# Altium PCB 2m_DBoard_TX.PcbDoc (part 1 of 5) (continued)
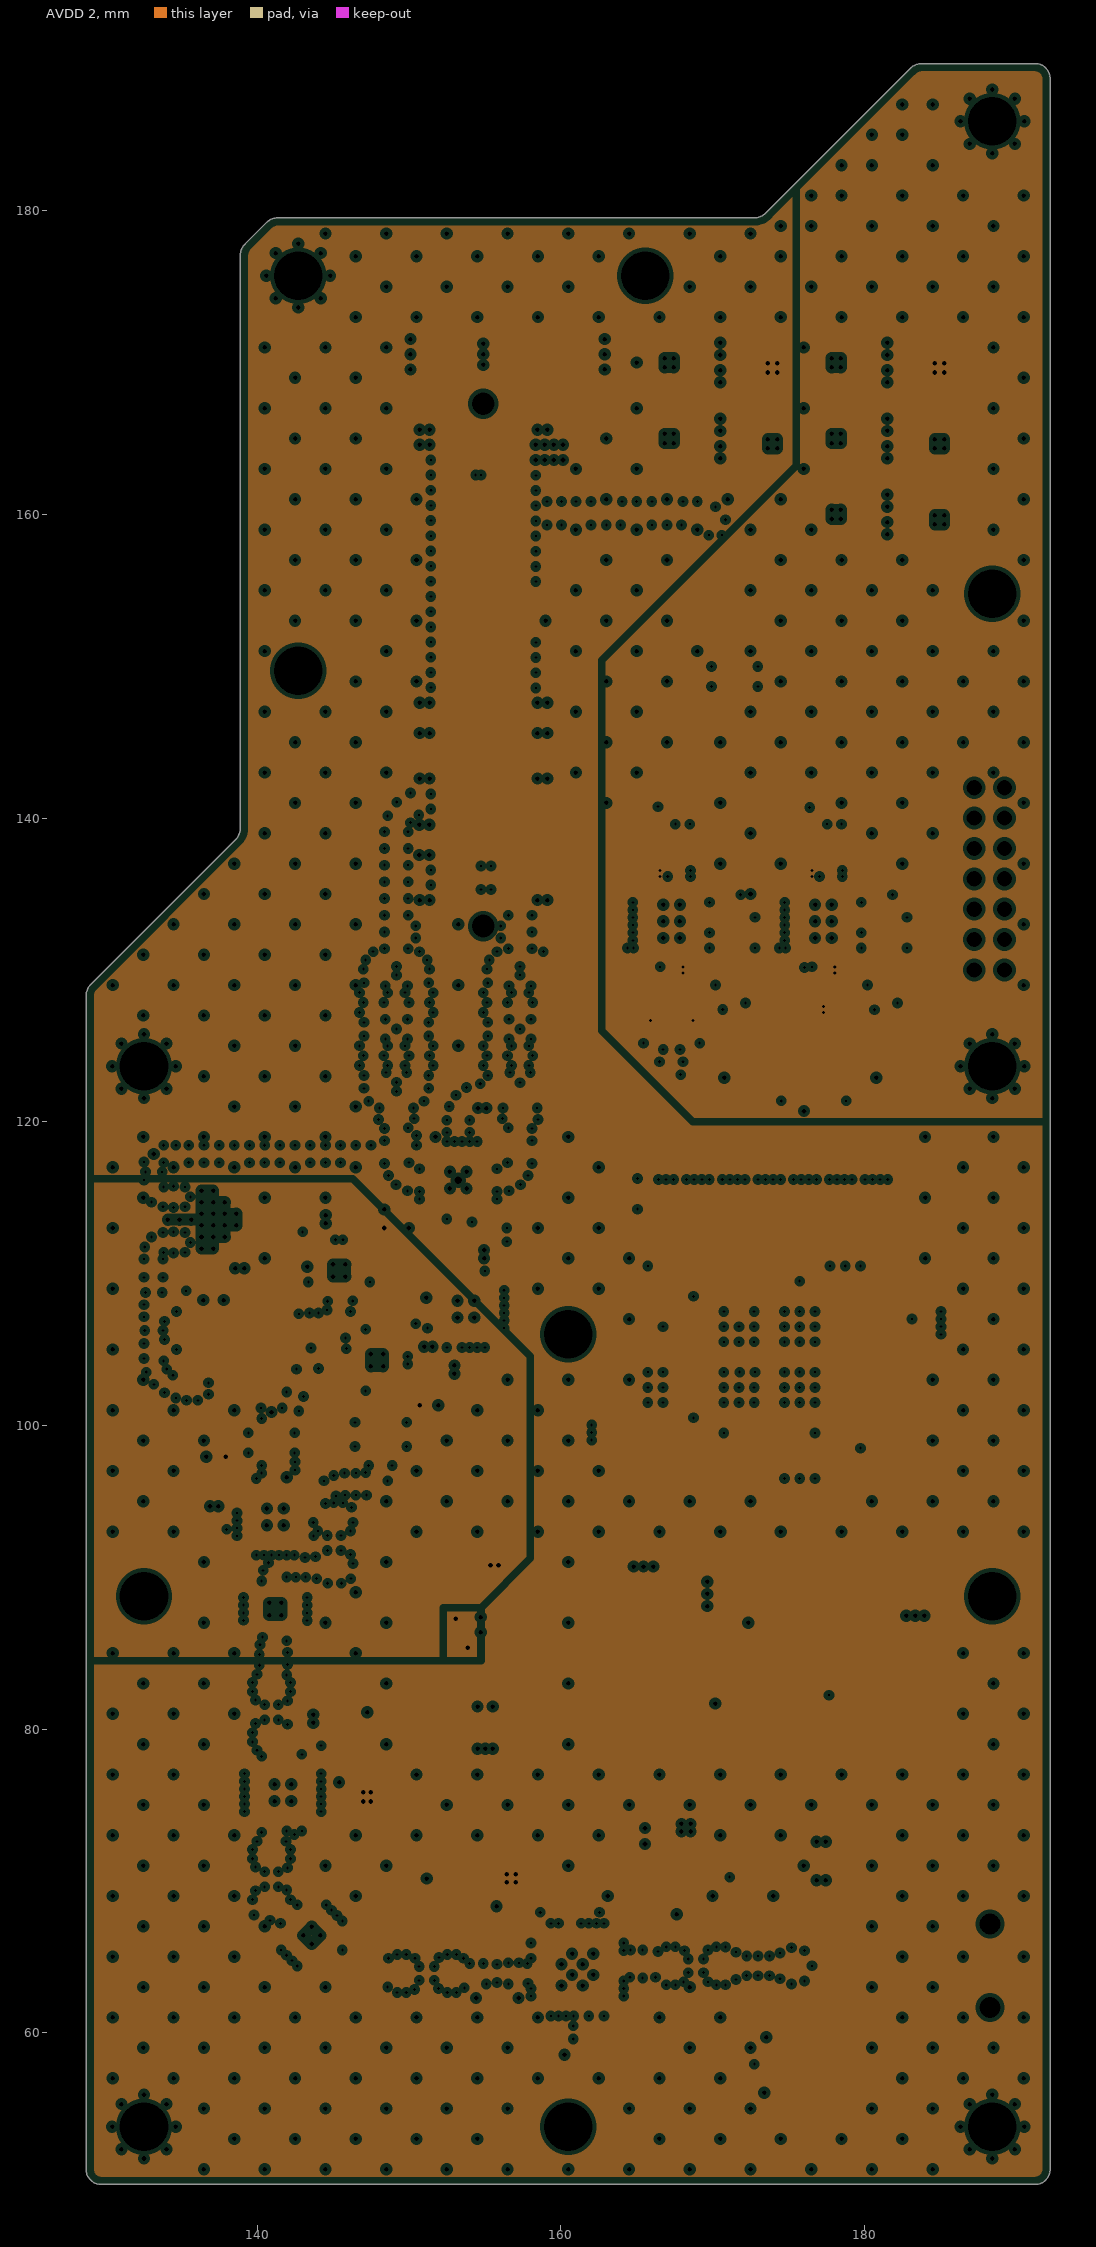
[diagram p6: AVDD 2, clearances drawn from the general rule]
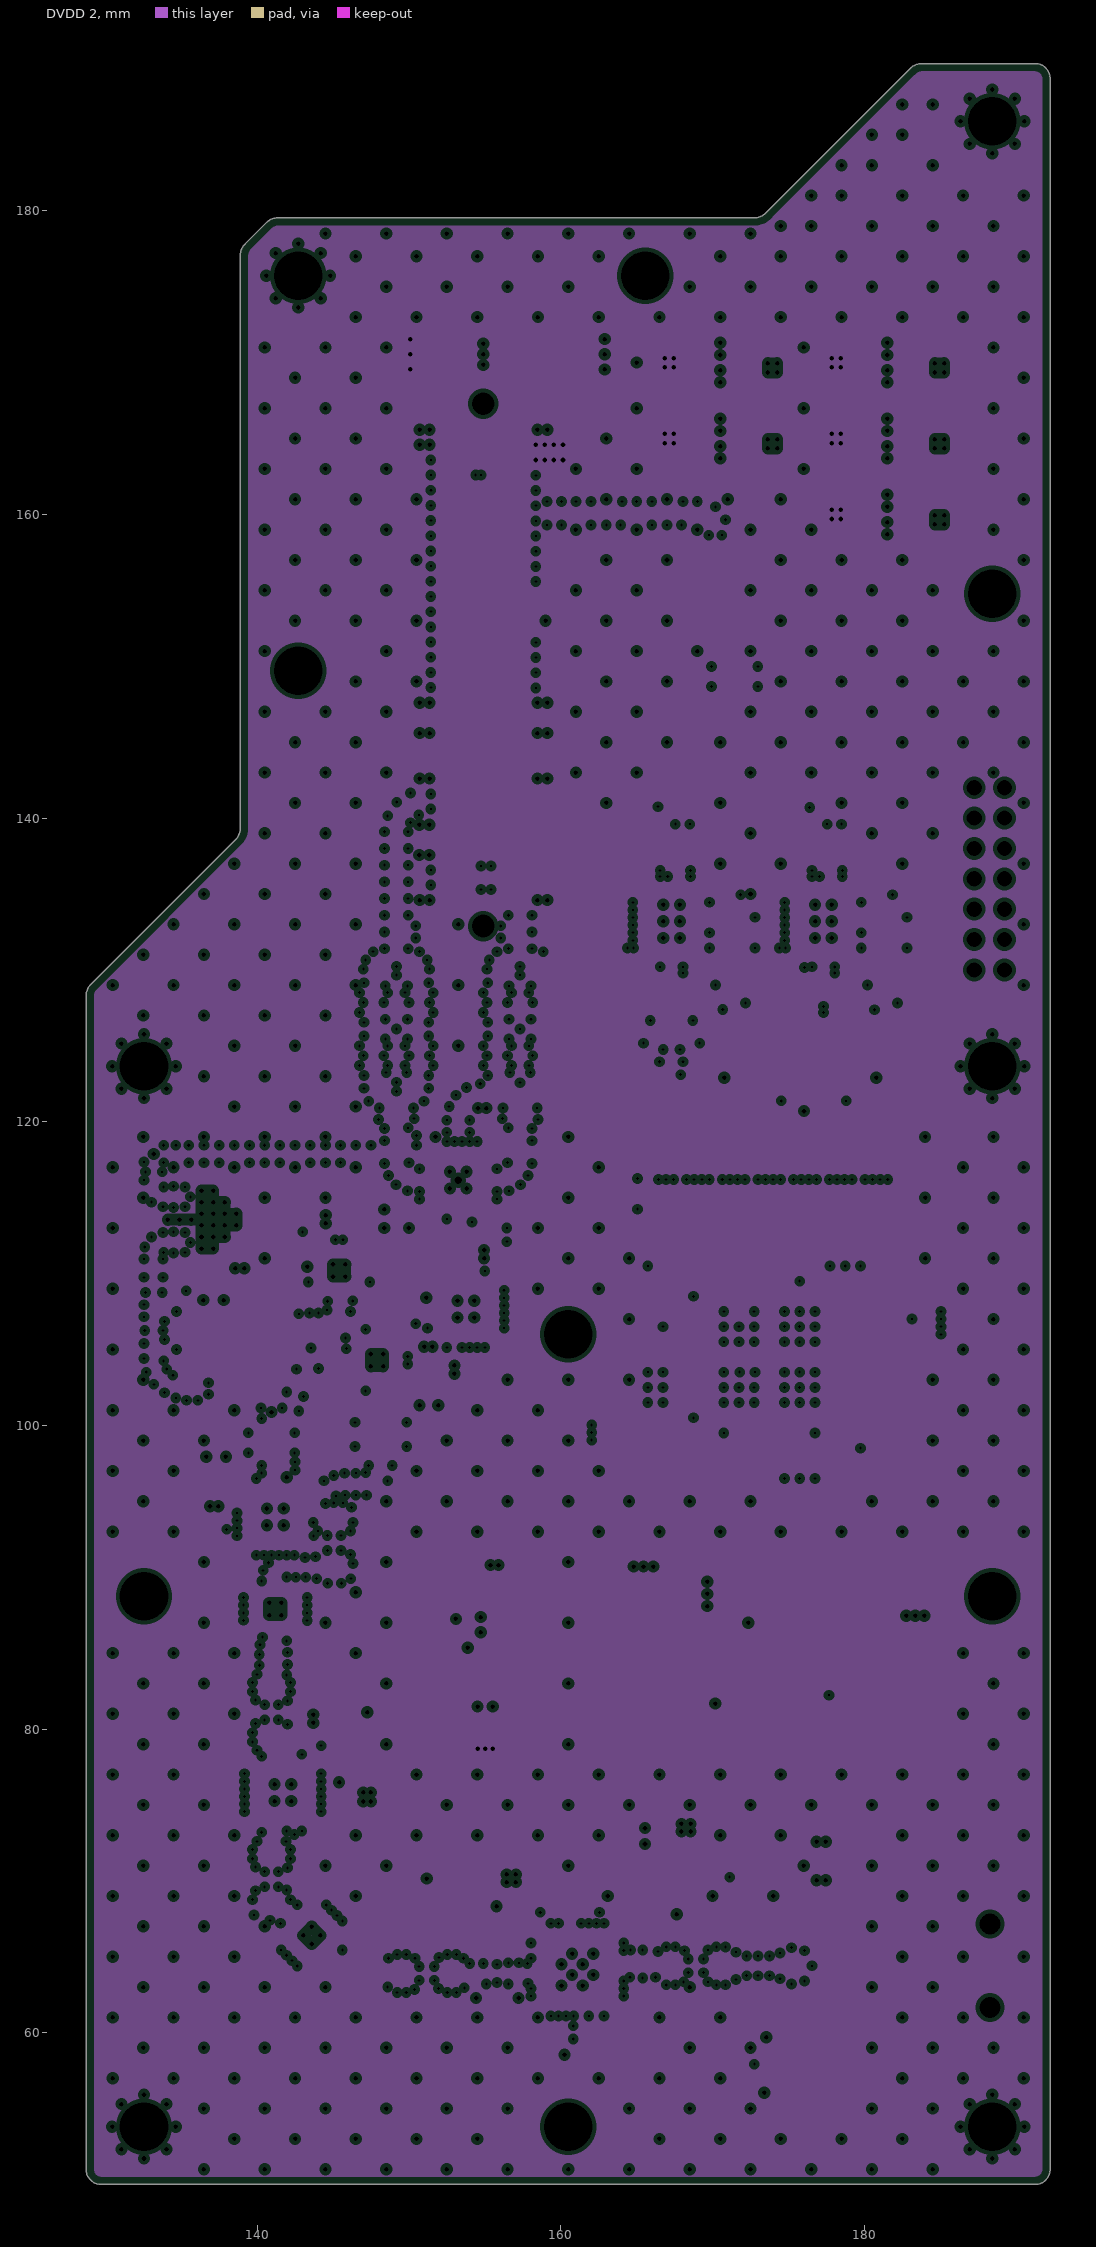
[diagram p7: DVDD 2, clearances drawn from the general rule]
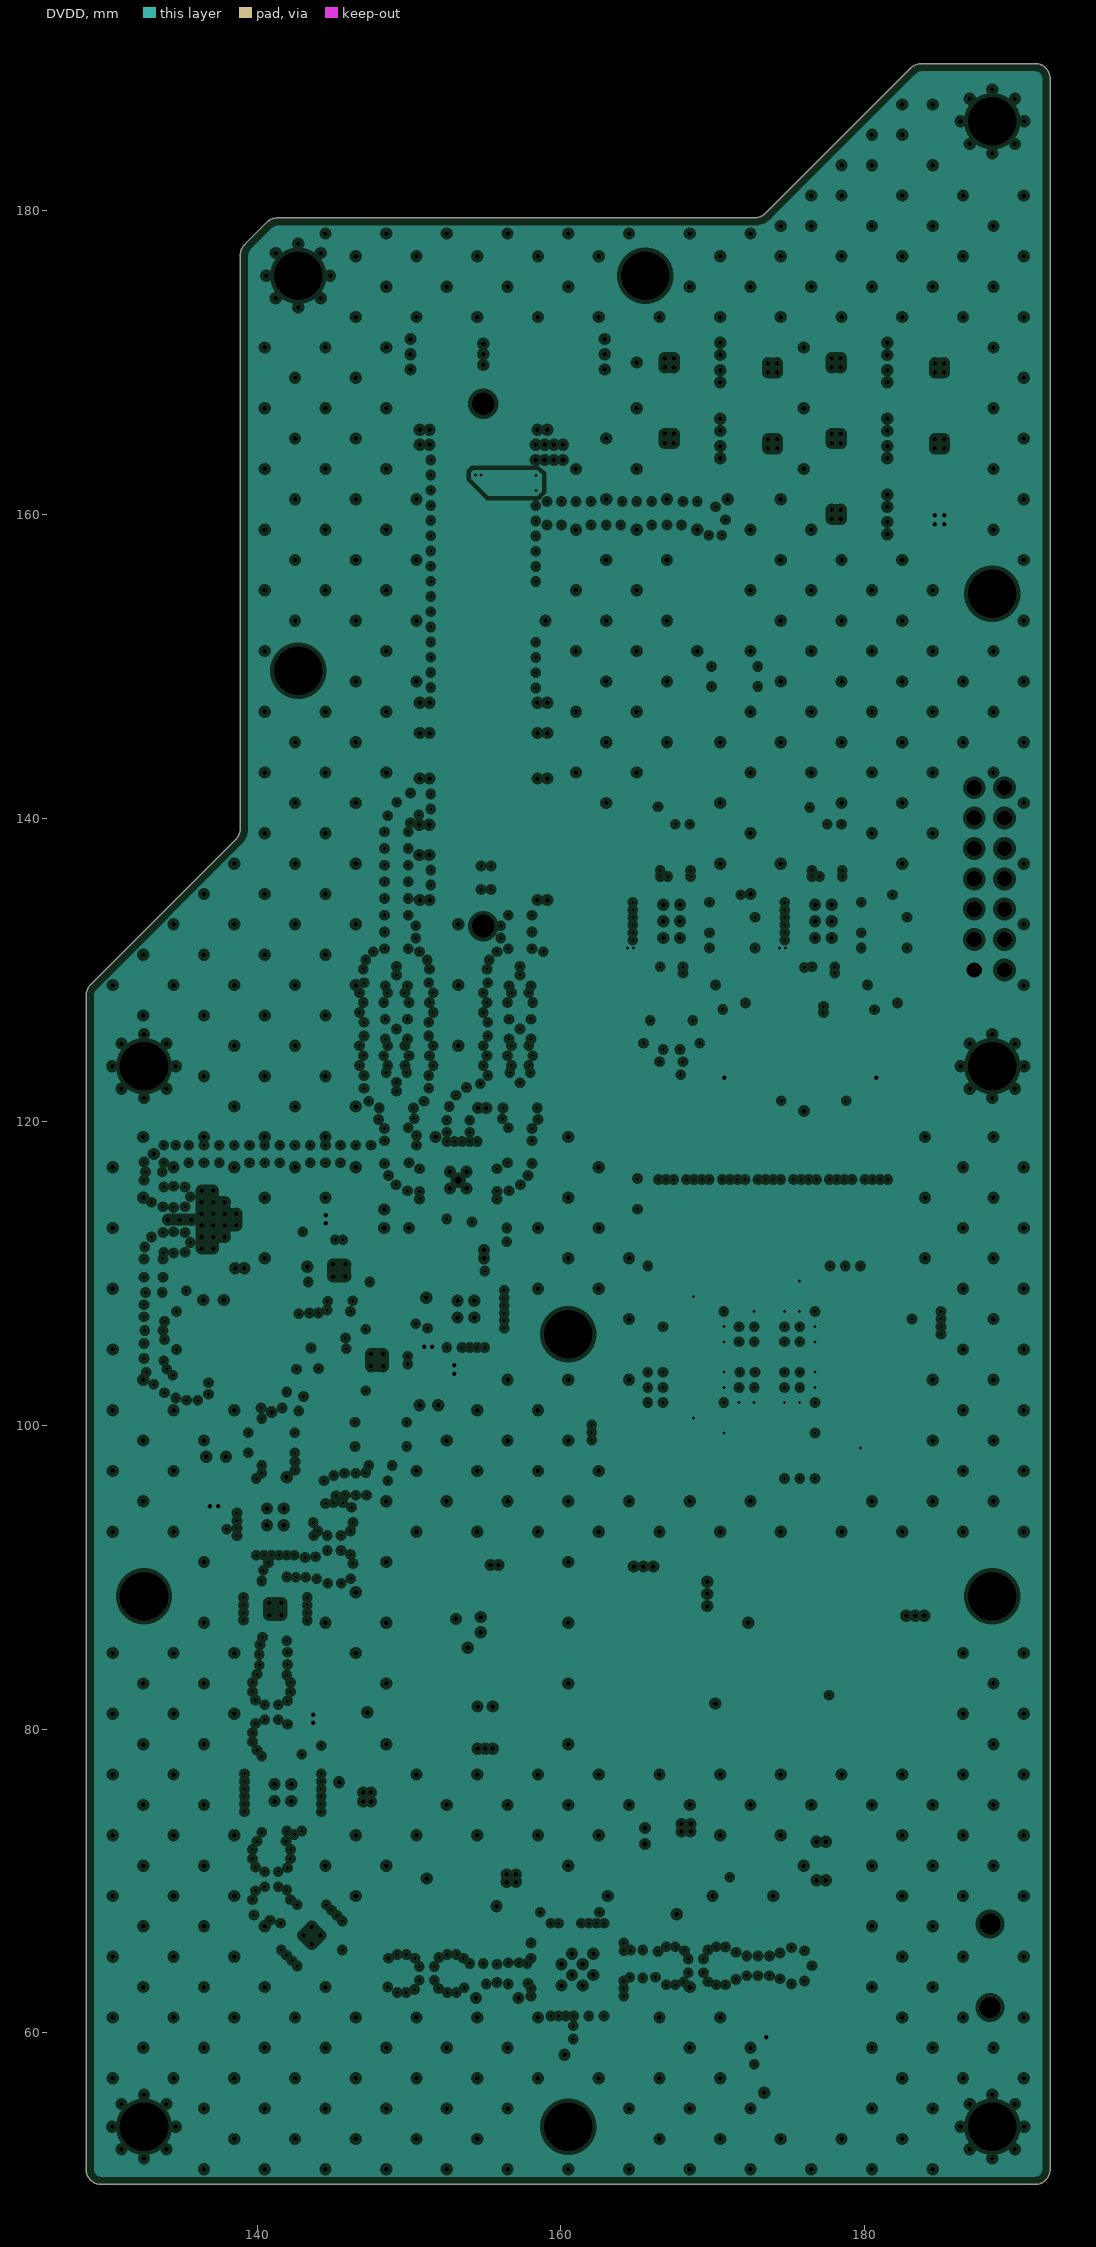
[diagram p8: DVDD, clearances drawn from the general rule]
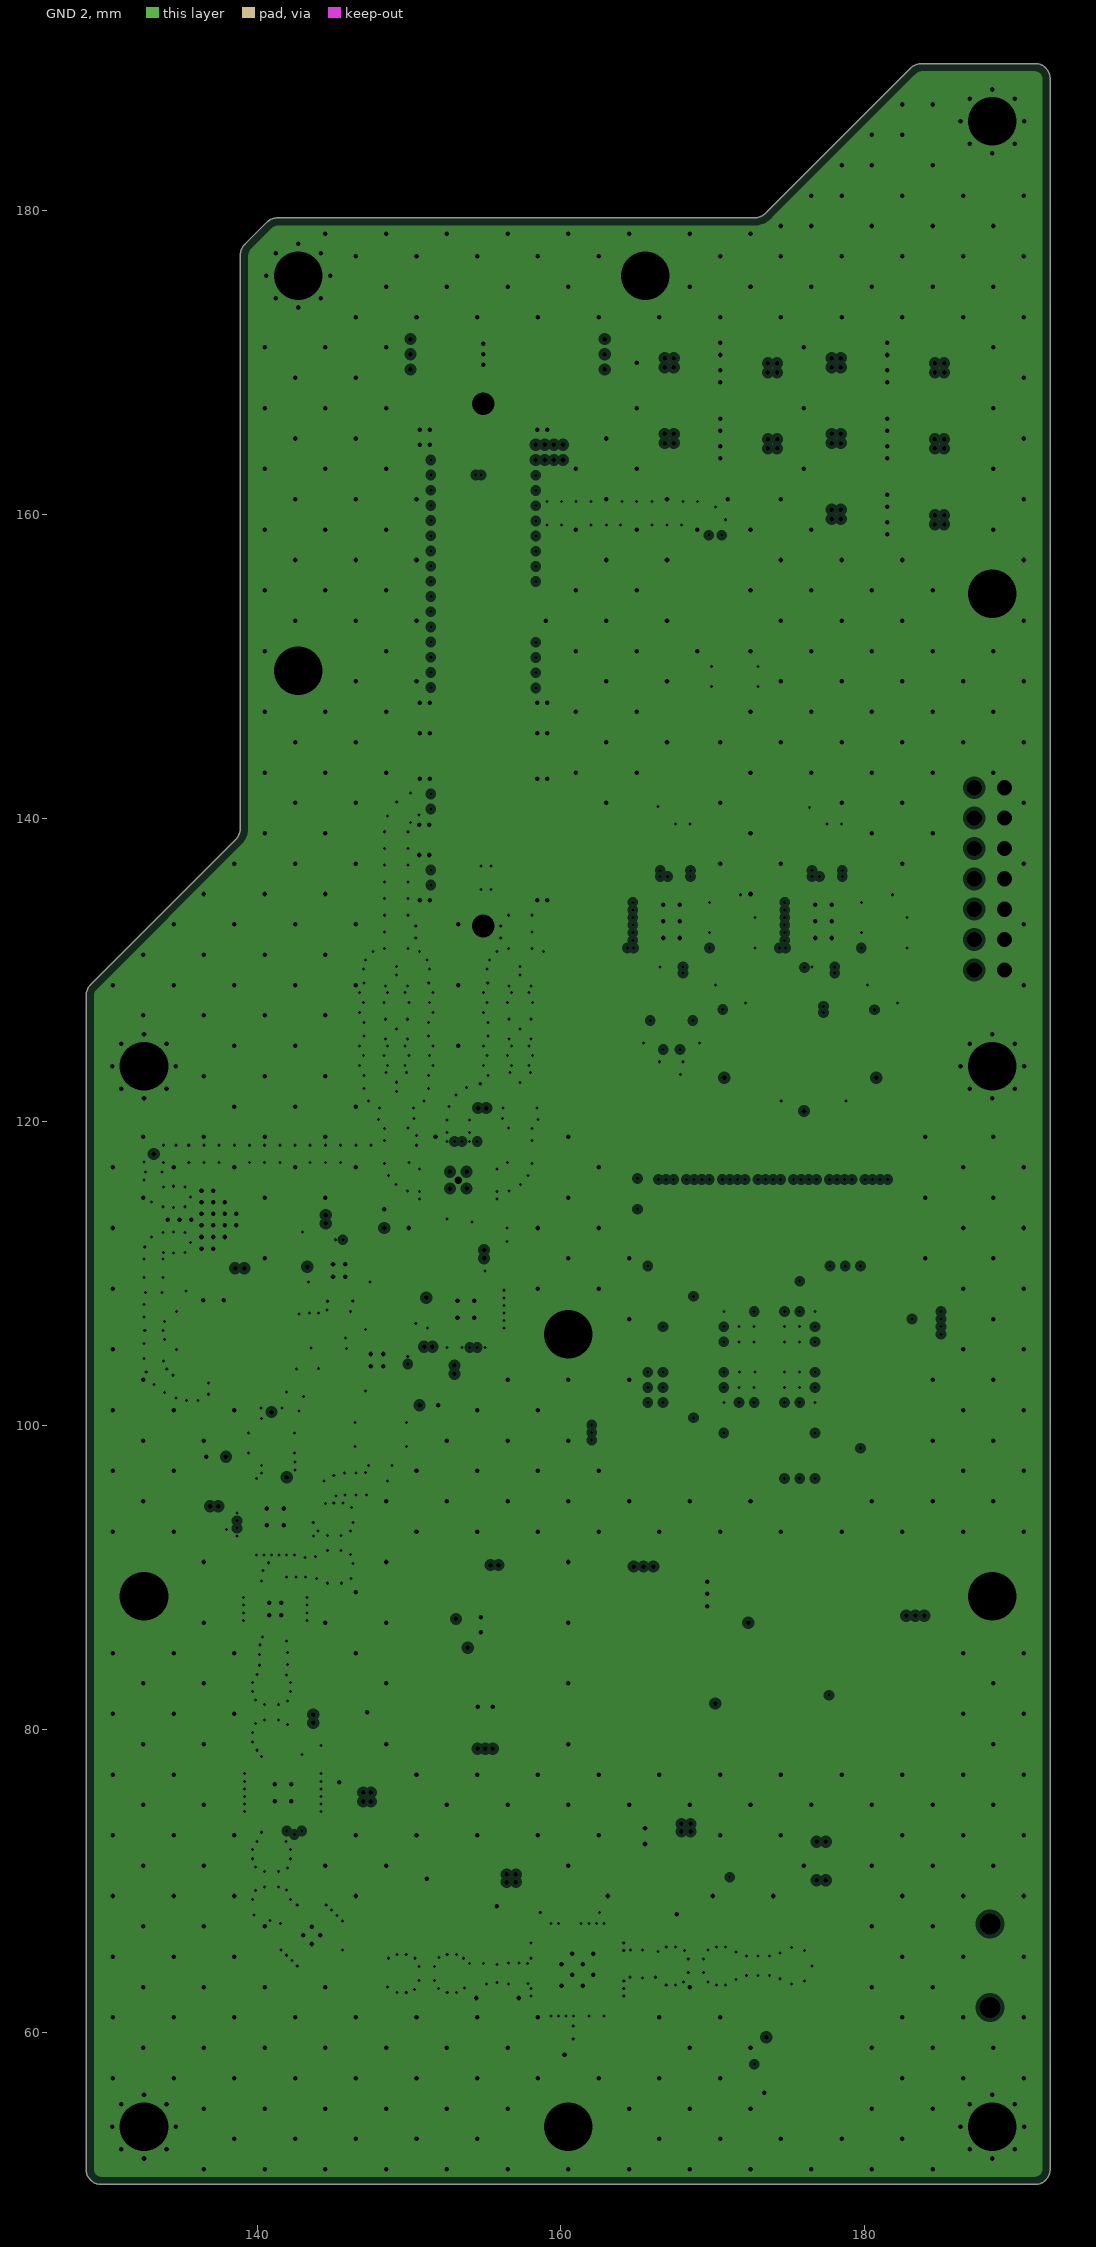
[diagram p9: GND 2, clearances drawn from the general rule]
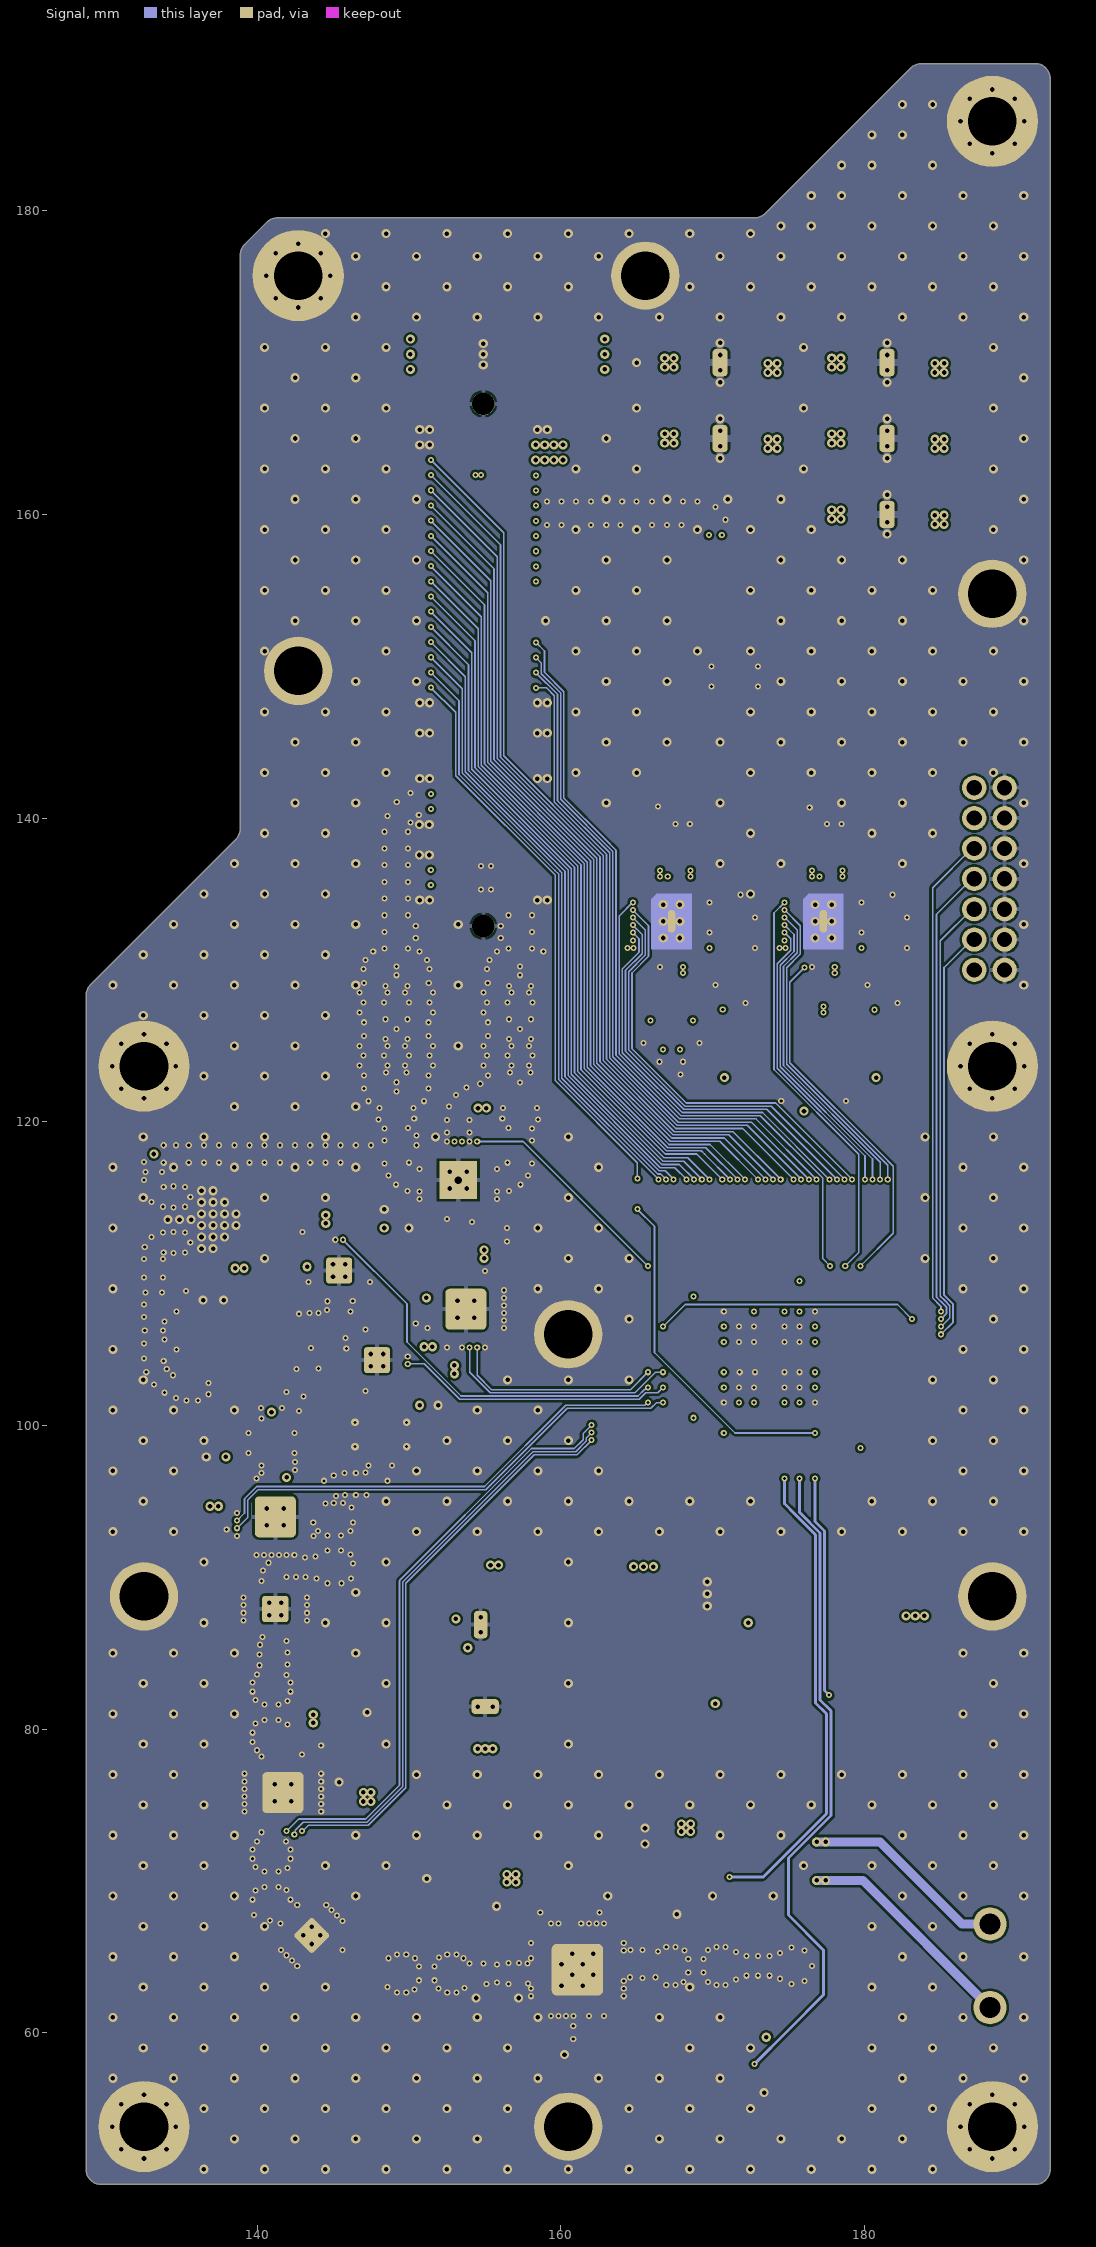
[diagram p10: Signal]
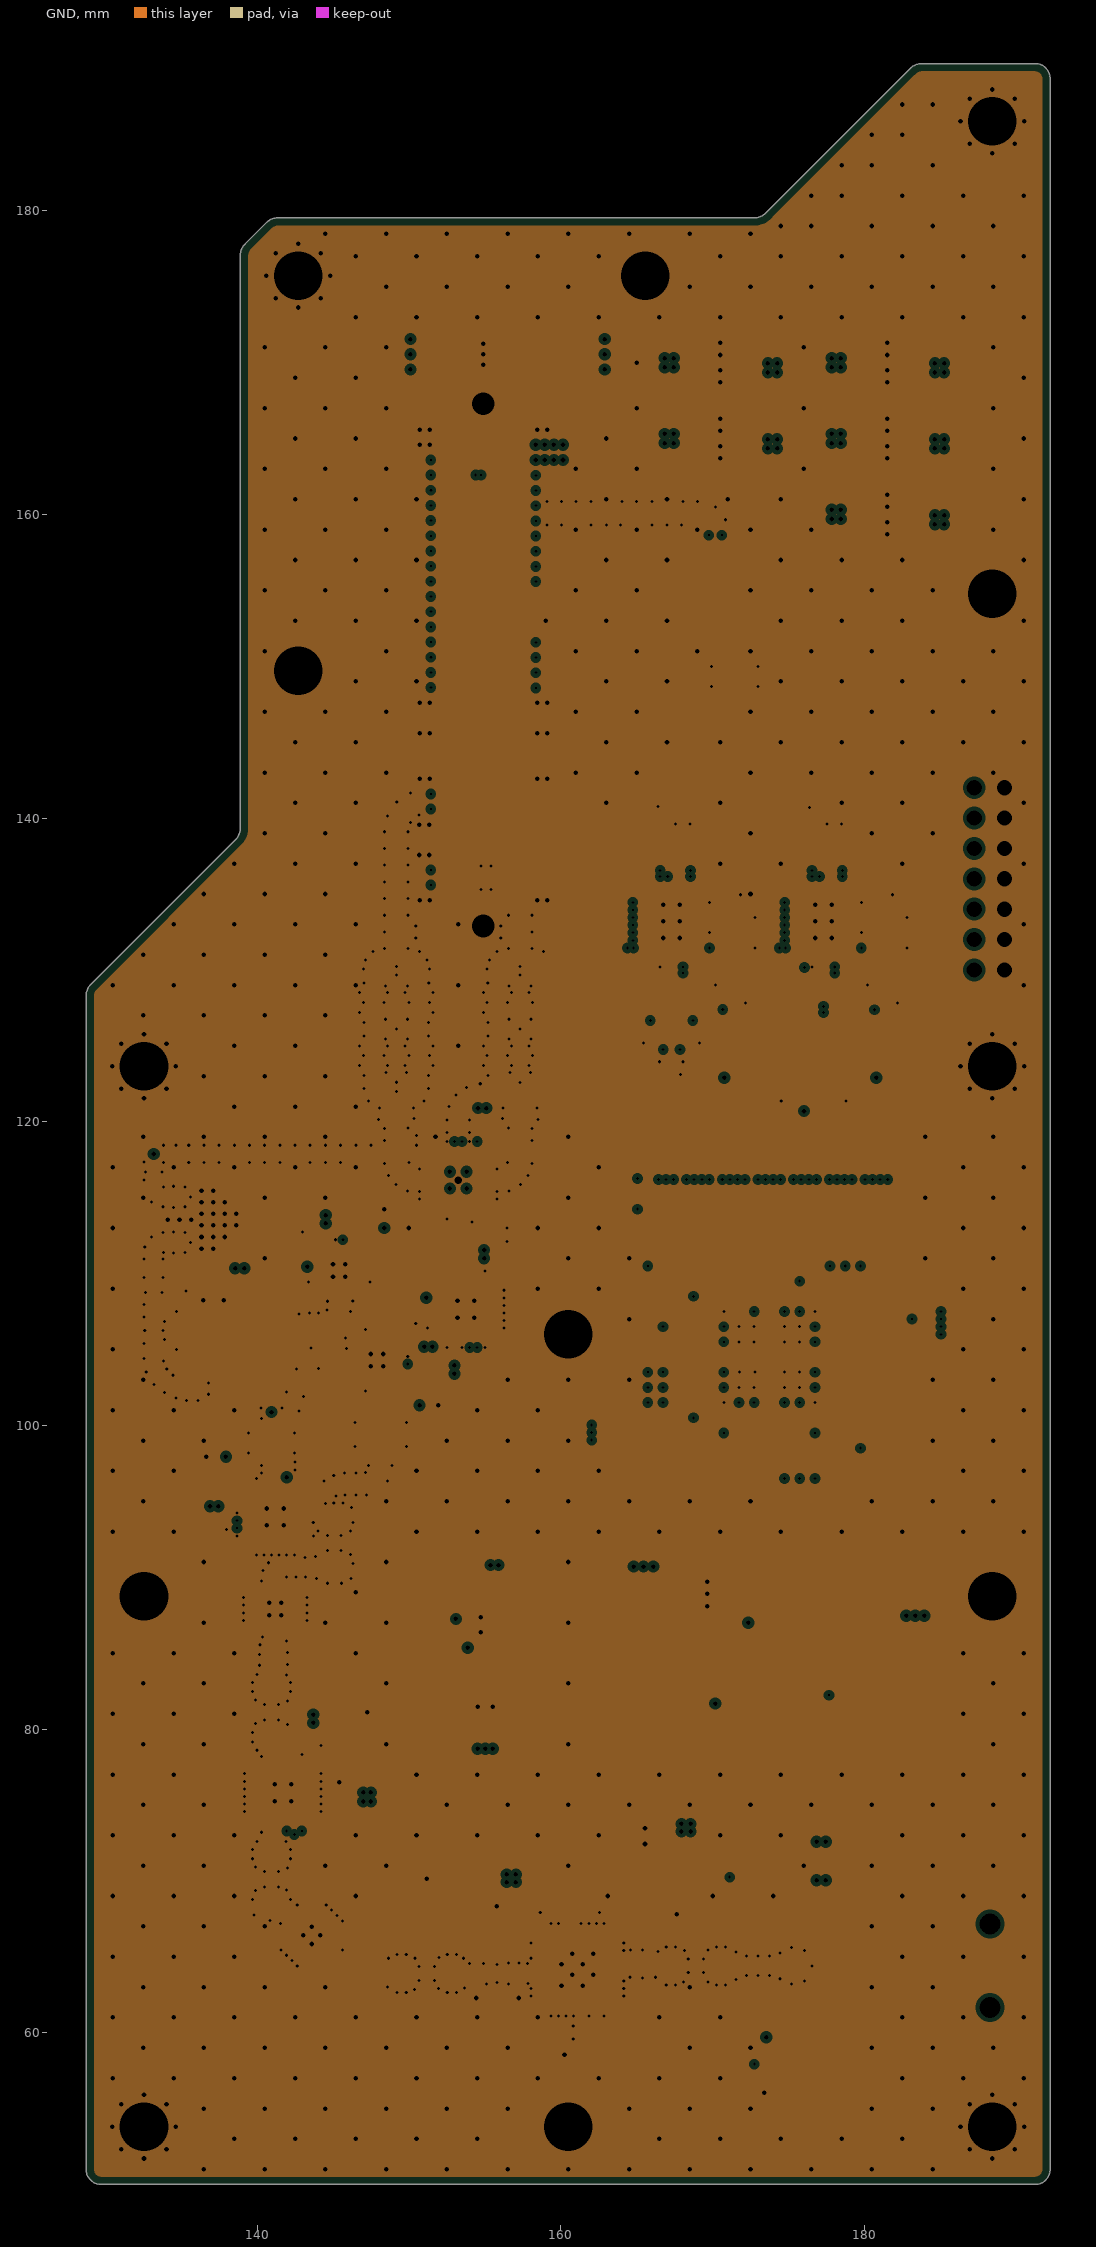
[diagram p11: GND, clearances drawn from the general rule]

## Layer stack, top to bottom
Top Solder: solder mask 0.0102, Solder resist, Dk 3.5
Top RF: signal copper 0.018
Core 1: core 0.305, RO4003, Dk 3.38
AGND: plane copper 0.018, net GND
Dielectric 1: prepreg 0.1, RO4450F, Dk 3.52
Inner RF: signal copper 0.018
Core 2: core 0.305, RO4003, Dk 3.38
AGND 2: plane copper 0.018, net GND
Dielectric 2: prepreg 0.125, 2116(Tg170), Dk 5.1
AVDD: plane copper 0.018, net (Multiple Nets)
Core 3: core 0.3, FR4 (Tg170), Dk 4.5
AVDD 2: plane copper 0.018, net (Multiple Nets)
Dielectric 3: prepreg 0.125, 2116(Tg170), Dk 5.1
DVDD 2: plane copper 0.018, net 6V_TX
Core 4: core 0.3, FR4 (Tg170), Dk 4.5
DVDD: plane copper 0.018, net (Multiple Nets)
Dielectric 4: prepreg 0.125, 2116(Tg170), Dk 5.1
GND 2: plane copper 0.018, net GND
Core 5: core 0.3, FR4 (Tg170), Dk 4.5
Signal: signal copper 0.018
Dielectric 5: prepreg 0.125, 2116(Tg170), Dk 5.1
GND: plane copper 0.018, net GND
Core 6: core 0.3, FR4 (Tg170), Dk 4.5
Bottom Layer: signal copper 0.018
Bottom Solder: solder mask 0.0102, Solder resist, Dk 3.5

## Board outline
128.74,51 128.74,128.305 cw(c129.79,128.305) 129.047,129.047 138.593,138.592 ccw(c137.85,139.335) 138.9,139.335 138.9,177.07 cw(c139.95,177.07) 139.207,177.812 140.629,179.234 140.63,179.232 cw(c141.373,178.49) 141.372,179.54 172.755,179.54 ccw(c172.755,180.59) 173.497,179.848 183.042,189.392 cw(c183.785,188.65) 183.785,189.7 191.24,189.7 cw(c191.24,188.7) 192.24,188.7 192.24,51 cw(c191.24,51) 191.24,50 129.74,50 cw(c129.74,51)

## Design rules (kind name [scope] priority, off if disabled: settings)
Clearance Diff_pair_100Ohm_bottom [OnLayer('Bottom Layer') vs InDifferentialPairClass('Diff_pair_100Ohm_outter')] p1: gap=0.2 ignorepadtopadclearanceinfootprint=FALSE except(0: Arc-Hole Track-Hole SMDPad-Hole THPad-Hole Via-Hole Fill-Hole Poly-Hole Region-Hole Text-Hole; 0.14: Arc-Arc Arc-Track Track-Track; 0.15: Arc-SMDPad Arc-THPad Arc-Via Arc-Text Track-SMDPad Track-THPad Track-Via Track-Text SMDPad-SMDPad SMDPad-THPad SMDPad-Via SMDPad-Text THPad-THPad THPad-Via THPad-Text Via-Via Via-Text Fill-Text Poly-Text Region-Text Text-Text)
Clearance RF_50Ohm_top [OnLayer('Top RF') vs InNetClass('RF_50Ohm')] p2: gap=0.15 ignorepadtopadclearanceinfootprint=FALSE except(0: Arc-Hole Track-Hole SMDPad-Hole THPad-Hole Via-Hole Fill-Hole Poly-Hole Region-Hole Text-Hole; 0.2: Arc-Fill Arc-Poly Arc-Region Track-Fill Track-Poly Track-Region SMDPad-Fill SMDPad-Poly SMDPad-Region THPad-Fill THPad-Poly THPad-Region Via-Fill Via-Poly Via-Region Fill-Fill Fill-Poly Fill-Region Poly-Poly Poly-Region Region-Region)
Clearance RF_50Ohm_Inner_RF [OnLayer('Inner RF') vs InNetClass('RF_50Ohm')] p3: gap=0.15 ignorepadtopadclearanceinfootprint=FALSE except(0: Arc-Hole Track-Hole SMDPad-Hole THPad-Hole Via-Hole Fill-Hole Poly-Hole Region-Hole Text-Hole; 0.2: Arc-Fill Arc-Poly Arc-Region Track-Fill Track-Poly Track-Region SMDPad-Fill SMDPad-Poly SMDPad-Region THPad-Fill THPad-Poly THPad-Region Via-Fill Via-Poly Via-Region Fill-Fill Fill-Poly Fill-Region Poly-Poly Poly-Region Region-Region)
Clearance RF_50Ohm_Signal [OnLayer('Signal') vs InNetClass('RF_50Ohm')] p4: gap=0.15 ignorepadtopadclearanceinfootprint=FALSE except(0: Arc-Hole Track-Hole SMDPad-Hole THPad-Hole Via-Hole Fill-Hole Poly-Hole Region-Hole Text-Hole; 0.2: Arc-Fill Arc-Poly Arc-Region Track-Fill Track-Poly Track-Region SMDPad-Fill SMDPad-Poly SMDPad-Region THPad-Fill THPad-Poly THPad-Region Via-Fill Via-Poly Via-Region Fill-Fill Fill-Poly Fill-Region Poly-Poly Poly-Region Region-Region)
Clearance RF_50Ohm_bottom [OnLayer('Bottom Layer') vs InNetClass('RF_50Ohm')] p5: gap=0.2 ignorepadtopadclearanceinfootprint=FALSE except(0: Arc-Hole Track-Hole SMDPad-Hole THPad-Hole Via-Hole Fill-Hole Poly-Hole Region-Hole Text-Hole; 0.15: Arc-SMDPad Arc-THPad Arc-Via Arc-Text Track-SMDPad Track-THPad Track-Via Track-Text SMDPad-SMDPad SMDPad-THPad SMDPad-Via SMDPad-Text THPad-THPad THPad-Via THPad-Text Via-Via Via-Text Fill-Text Poly-Text Region-Text Text-Text; 0.16: Arc-Arc Arc-Track Track-Track)
Clearance Diff_pair_100Ohm_Signal [OnLayer('Signal') vs InDifferentialPairClass('Diff_pair_100Ohm_inner')] p6: gap=0.14 ignorepadtopadclearanceinfootprint=FALSE except(0: Arc-Hole Track-Hole SMDPad-Hole THPad-Hole Via-Hole Fill-Hole Poly-Hole Region-Hole Text-Hole; 0.15: Fill-Text)
Clearance "POWER to GND" [InNetClass('POWER') vs InNet('GND')] p7: gap=0.15 ignorepadtopadclearanceinfootprint=TRUE
Clearance "POWER to POWER" [InNetClass('POWER') vs InNetClass('POWER')] p8: gap=0.254 ignorepadtopadclearanceinfootprint=TRUE except(0.15: Arc-Arc Arc-Track Arc-SMDPad Arc-THPad Arc-Via Track-Track Track-SMDPad Track-THPad Track-Via)
Clearance Not_Plated_Hole [(PadIsPlated = 'false') and OnMultiLayer] p9: gap=0.25 ignorepadtopadclearanceinfootprint=FALSE except(0: Arc-Hole Track-Hole SMDPad-Hole THPad-Hole Via-Hole Fill-Hole Poly-Hole Region-Hole Text-Hole)
Clearance [All] p10: gap=0.1 ignorepadtopadclearanceinfootprint=FALSE except(0: Arc-Hole Track-Hole SMDPad-Hole THPad-Hole Via-Hole Fill-Hole Poly-Hole Region-Hole Text-Hole; 0.15: Arc-Fill Arc-Poly Track-Fill Track-Poly SMDPad-Fill SMDPad-Poly THPad-Fill THPad-Poly Via-Fill Via-Poly Fill-Fill Fill-Poly Fill-Region Fill-Text Poly-Poly Poly-Region Poly-Text)
DiffPairsRouting Diff_pair_100Ohm [InDifferentialPairClass('All Differential Pairs')] p1: maxlimit=0.245 minlimit=0.14 mostfreqgap=0.245 toplayer_mingap=0.15 toplayer_maxgap=0.15 toplayer_prefgap=0.15 toplayer_minwidth=0.315 toplayer_maxwidth=0.5 toplayer_prefwidth=0.315 midlayer1_mingap=0.15 midlayer1_maxgap=0.15 midlayer1_prefgap=0.15 midlayer1_minwidth=0.175 midlayer1_maxwidth=0.35 midlayer1_prefwidth=0.175 midlayer4_mingap=0.245 midlayer4_minwidth=0.1 midlayer4_maxwidth=0.11 midlayer4_prefwidth=0.1 bottomlayer_maxgap=0.14 bottomlayer_prefgap=0.14 bottomlayer_minwidth=0.215 bottomlayer_maxwidth=0.4 bottomlayer_prefwidth=0.215 impedanceprofiledriven=TRUE impedanceprofileid={1042E970-1475-4DD2-855F-BC7A69FB2867} impedanceprofilevalue=100.000000 maxuncoupledlength=12.7
HoleSize MicroMech_Vias [InPadClass('MicroMechanical')] p1: absolutevalues=TRUE maxlimit=1 minlimit=0.2 maxpercent=80.000 minpercent=20.000
HoleSize Mech_Vias [InPadClass('Mechanical')] p2: absolutevalues=TRUE maxlimit=4 minlimit=1 maxpercent=80.000 minpercent=20.000